# Altium PCB PCB3.PcbDoc (part 2 of 3)
Units mm, origin at the board's own origin, x right, y up, seen from the top; angles counter-clockwise.
Board outline 202.9 x 84.5 mm, 4 copper layers (Top Layer, GND, POWER, Bottom Layer), stack 1.564 mm thick; 186 components, 192 nets, 845 pads, 410 vias.
Unrouted connection lines stored in the file: 199.
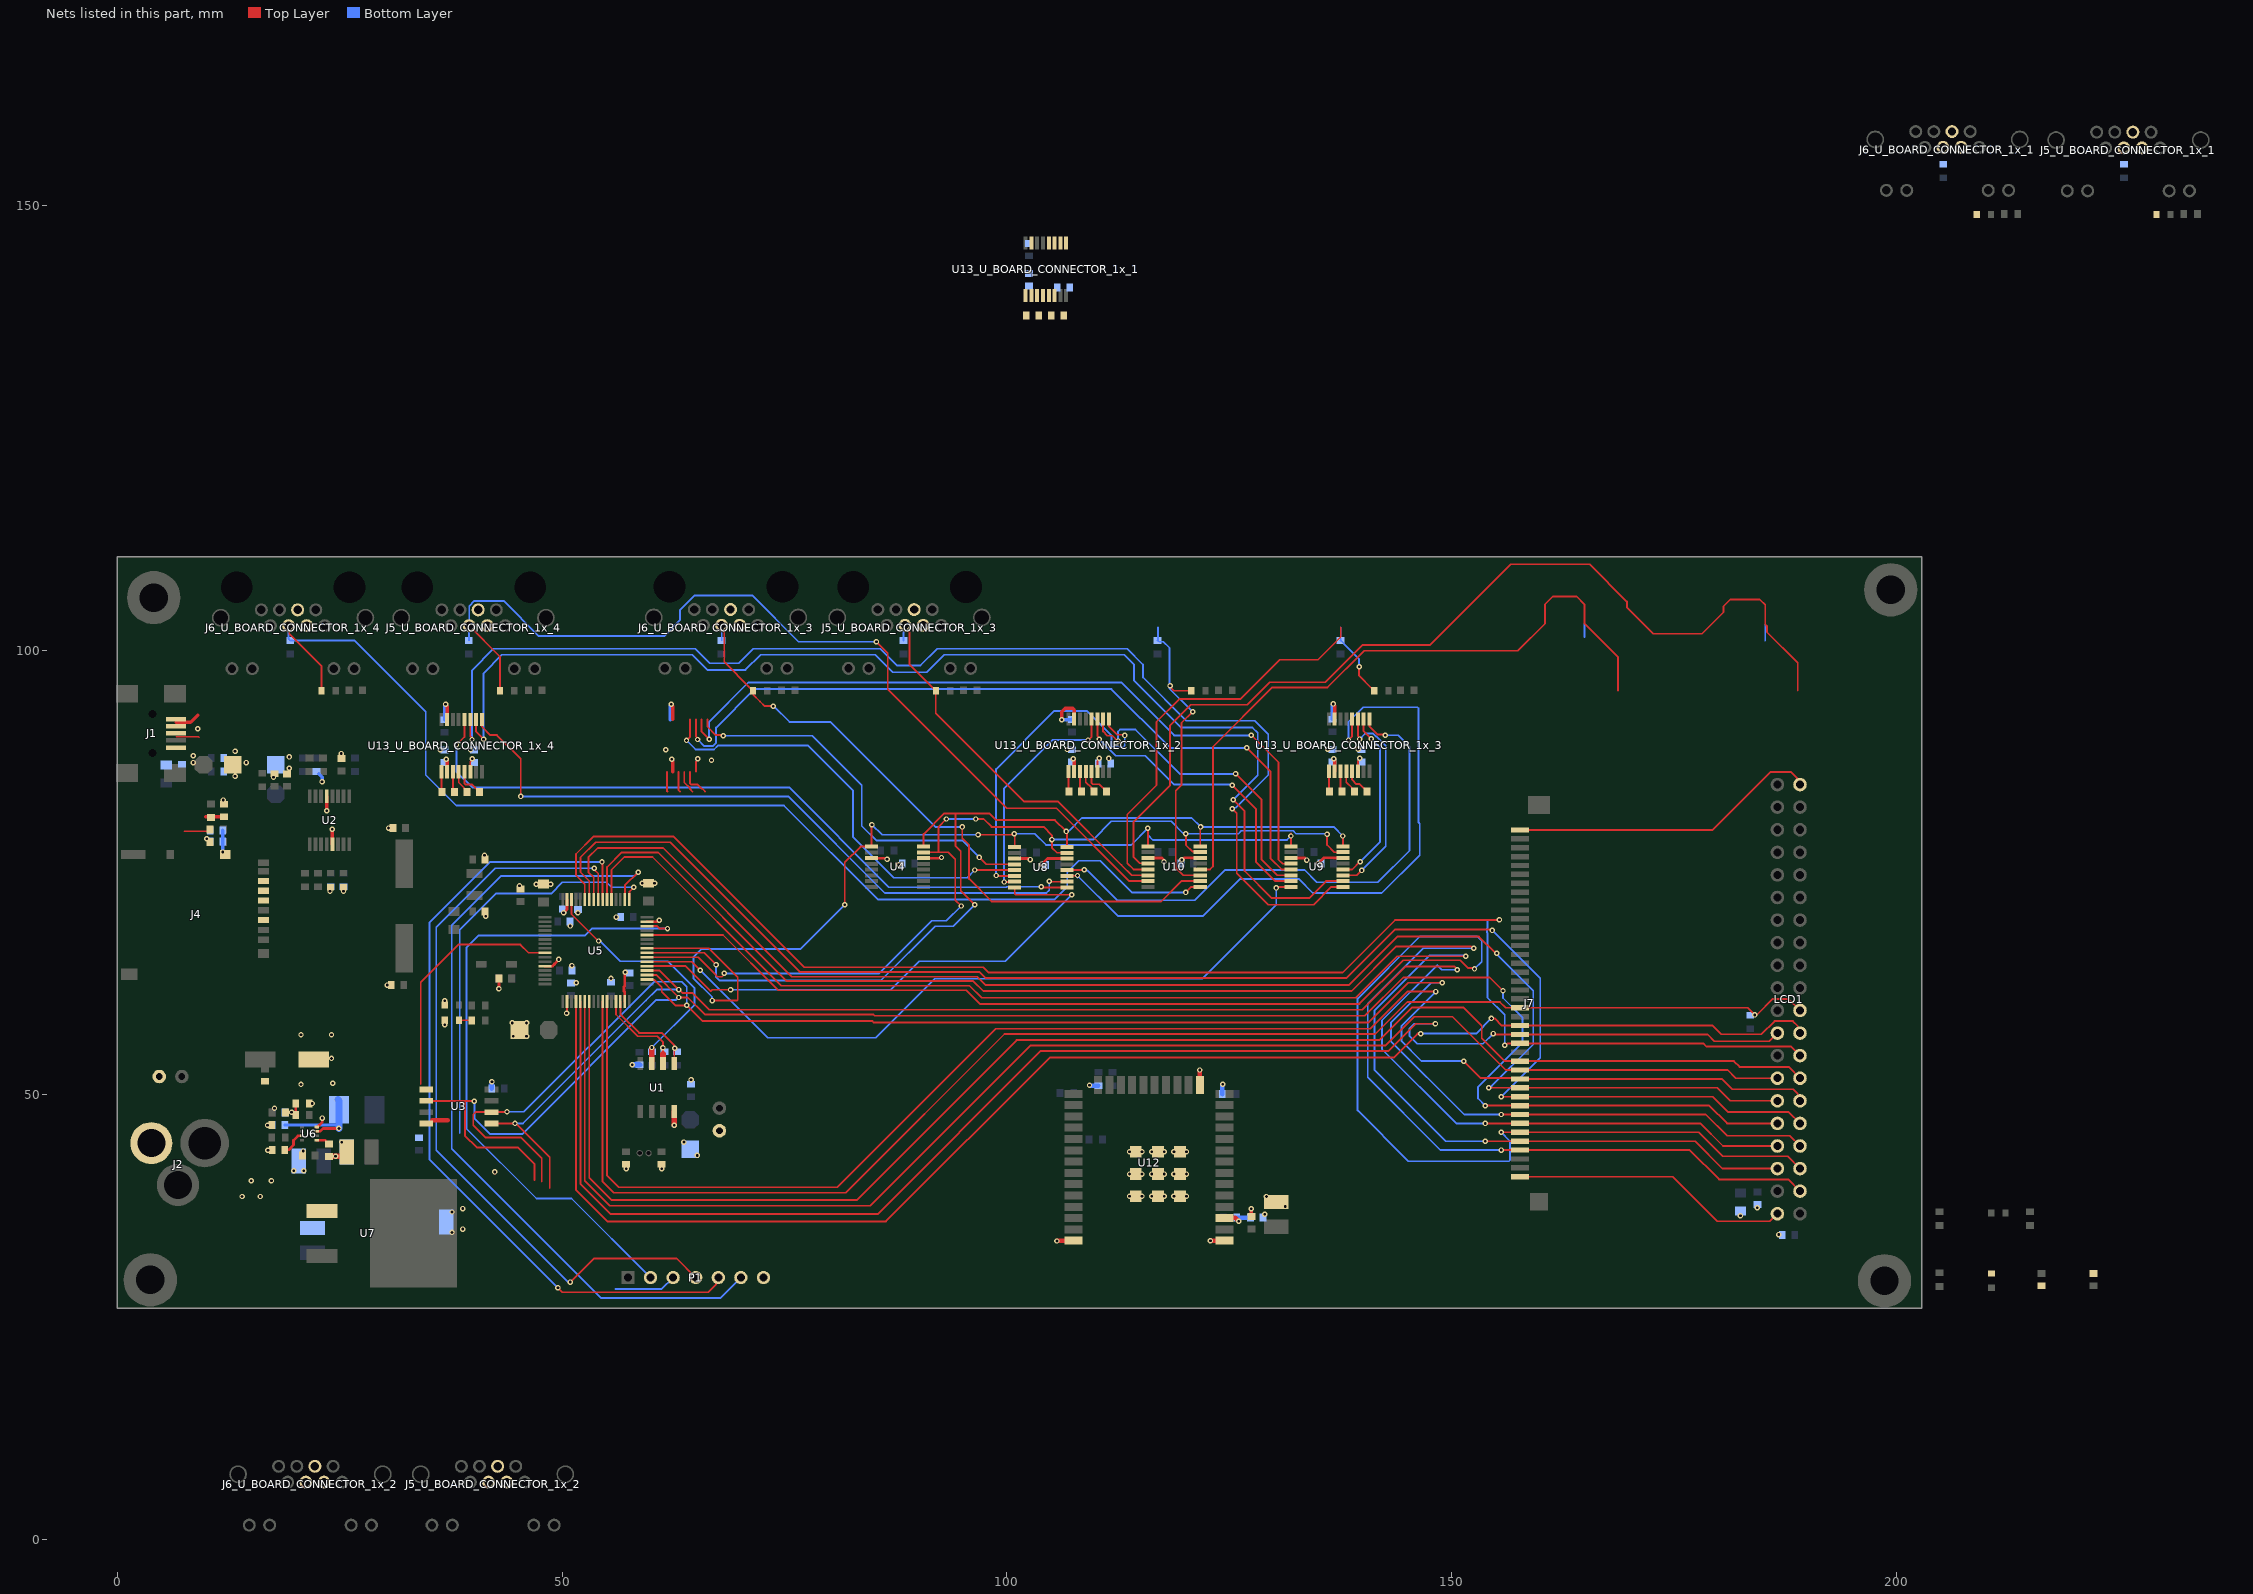
[diagram p4: the nets of this part, all layers, seen from the top]

## Via types
v1: diameter 0.61, hole 0.305, Top Layer to Bottom Layer, tented both sides, 344 vias
v2: diameter 0.61, hole 0.305, Top Layer to Bottom Layer, 66 vias

## Nets (pads, with @x,y where several pads share a name; then routed paths per layer and width w, separated by ;. In a path a pad name is that pad's centre, name@x,y a point inside that pad or via, vN(x,y) a via of type N, cw(c..) or ccw(c..) an arc to the next point about the centre after c; other vN are vias at no path point) (continued)
BOARD_LSENSE1: D8_U_BOARD_CONNECTOR_1x_1.2 J6_U_BOARD_CONNECTOR_1x_1.4 R29_U_BOARD_CONNECTOR_1x_1.2 U10.12 | length 78.3
  Top Layer w0.203: U10.12@121.758,75.347 122.845,75.347 123.19,75.692 123.19,89.154 129.86,95.824 136.064,95.824 140.19,99.949 157.48,99.949 160.528,102.997 160.528,105.156 161.417,106.045 164.084,106.045 164.95,105.179 164.95,104.341 164.973,104.318 164.973,103.013 164.94,102.98 164.99,102.98 168.745,99.225 168.745,95.455
  Bottom Layer w0.203: 164.94,102.98 164.973,102.947 164.973,101.473
BOARD_LSENSE2: D8_U_BOARD_CONNECTOR_1x_2.2 J6_U_BOARD_CONNECTOR_1x_2.4 R29_U_BOARD_CONNECTOR_1x_2.2 U10.11 | length 35.8
  Top Layer w0.203: v1(118.364,96.012) 118.237,95.885 118.364,95.885 118.794,95.455 D8_U_BOARD_CONNECTOR_1x_2.2@120.739,95.455 ; v1(120.904,93.091) 119.634,91.821 119.634,84.836 118.999,84.201 118.999,75.565 119.867,74.697 U10.11@121.758,74.697
  Bottom Layer w0.203: R29_U_BOARD_CONNECTOR_1x_2.2@116.967,101.092 R29_U_BOARD_CONNECTOR_1x_2.2@117.02,101.145 ; 117.02,102.6 R29_U_BOARD_CONNECTOR_1x_2.2@117.02,101.145 ; v1(120.904,93.091) 118.3,95.694 118.3,100.266 117.597,100.97 117.142,100.97 117.02,101.092 R29_U_BOARD_CONNECTOR_1x_2.2@117.02,101.145
BOARD_LSENSE3: D8_U_BOARD_CONNECTOR_1x_3.2 J6_U_BOARD_CONNECTOR_1x_3.4 R29_U_BOARD_CONNECTOR_1x_3.2 U10.10 | length 74.9
  Top Layer w0.203: J6_U_BOARD_CONNECTOR_1x_3.4@67.92,102.81 68.161,102.569 68.161,102.129 68.228,102.062 68.228,98.69 71.165,95.754 71.215,95.754 71.463,95.505 D8_U_BOARD_CONNECTOR_1x_3.2@71.463,95.455 71.501,95.417 71.501,94.996 72.251,94.246 72.775,93.722 v1(73.736,93.722) ; v1(94.996,80.137) 94.996,78.867 95.758,78.105 95.758,74.295 98.298,71.755 117.348,71.755 119.64,74.047 U10.10@121.758,74.047
  Bottom Layer w0.203: J6_U_BOARD_CONNECTOR_1x_3.4@67.92,102.81 67.945,102.785 R29_U_BOARD_CONNECTOR_1x_3.2@67.945,101.092 ; v1(73.736,93.722) 73.791,93.722 75.565,91.948 80.137,91.948 91.948,80.137 v1(94.996,80.137)
BOARD_LSENSE4: D8_U_BOARD_CONNECTOR_1x_4.2 J6_U_BOARD_CONNECTOR_1x_4.4 R29_U_BOARD_CONNECTOR_1x_4.2 U10.9 | length 133.6
  Top Layer w0.203: J6_U_BOARD_CONNECTOR_1x_4.4@19.238,102.764 19.31,102.692 19.31,101.848 22.949,98.209 D8_U_BOARD_CONNECTOR_1x_4.2@22.949,95.455 ; v1(120.142,72.771) 120.768,73.397 U10.9@121.758,73.397
  Bottom Layer w0.203: J6_U_BOARD_CONNECTOR_1x_4.4@19.238,102.764 19.238,101.285 R29_U_BOARD_CONNECTOR_1x_4.2@19.431,101.092 26.67,101.092 34.671,93.091 34.671,85.979 38.104,82.546 74.934,82.546 85.496,71.984 105.385,71.984 106.807,73.406 106.807,75.057 108.077,76.327 110.49,76.327 114.046,72.771 v1(120.142,72.771)
BOARD_S0: U4.1 U5.41 U8.1 U9.1 U10.1 | length 108.2
  Top Layer w0.203: U5.41@59.544,66.484 66.485,66.484 69.757,63.212 69.757,60.727 69.638,60.608 v1(66.893,60.608) ; v1(81.788,71.374) 81.788,76.153 83.566,77.931 U4.1@84.778,77.931 84.778,80.333 v1(84.836,80.391) ; v1(96.774,79.248) 100.516,79.248 100.565,79.297 100.76,79.297 v1(100.838,79.375) ; v1@100.821,79.328 100.889,79.26 U8.1@100.889,77.881 ; v1(115.853,79.981) 115.882,79.952 U10.1@115.882,77.947 ; U9.1@131.946,77.947 v1@131.946,79.382
  Bottom Layer w0.203: v1(66.893,60.608) 66.855,60.646 66.855,61.026 64.765,63.116 64.765,65.478 65.708,66.421 76.835,66.421 v1(81.788,71.374) ; v1(84.836,80.391) 85.979,79.248 v1(96.774,79.248) ; v1(100.838,79.375) 103.157,79.375 104.427,78.105 113.977,78.105 v1(115.853,79.981) 115.853,79.24 116.429,78.664 131.496,78.664 v1(131.953,79.121)
BOARD_S1: U4.16 U5.40 U8.16 U9.16 U10.16 | length 110.6
  Top Layer w0.203: U5.40@59.544,65.984 65.969,65.984 v1(67.31,64.643) ; U4.16@90.654,77.931 90.654,79.335 92.98,81.661 94.243,81.661 ; v1(96.393,71.374) 94.823,72.944 94.823,77.389 94.243,77.969 94.243,81.661 ; U8.16@106.765,77.881 106.765,79.544 v1(106.68,79.629) 105.41,80.899 98.806,80.899 98.044,81.661 94.243,81.661 ; U10.16@121.758,77.947 121.758,80.102 v1(121.793,80.137) ; v1(137.795,79.121) 137.822,79.094 U9.16@137.822,77.947
  Bottom Layer w0.203: v1(67.31,64.643) 67.31,63.246 67.682,62.874 85.861,62.874 91.948,68.961 93.98,68.961 v1(96.393,71.374) ; v1(106.68,79.629) 106.758,79.707 107.012,79.707 108.458,81.153 120.777,81.153 v1(121.793,80.137) 136.779,80.137 v1(137.795,79.121)
BOARD_S2: U4.15 U5.39 U8.15 U9.15 U10.15 | length 108.3
  Top Layer w0.203: U5.39@59.544,65.484 65.326,65.484 67.129,63.681 67.176,63.634 67.183,63.627 67.456,63.29 67.975,63.29 68.216,63.531 v1(68.216,63.672) ; U4.15@90.654,77.281 92.418,77.281 ; 92.329,77.281 92.329,80.137 v1(93.218,81.026) ; 92.418,77.281 93.407,77.281 94.203,76.485 94.203,71.913 v1(94.869,71.247) ; v1(96.52,81.026) 97.409,81.026 98.298,80.137 104.14,80.137 105.08,79.197 v1(105.08,78.715) 105.08,77.8 105.649,77.231 U8.15@106.765,77.231 ; v1(120.142,79.375) 120.142,78.105 120.86,77.387 121.668,77.387 U10.15@121.758,77.297 ; v1(136.021,79.3) 136.021,78.101 136.825,77.297 U9.15@137.822,77.297
  Bottom Layer w0.203: v1(68.216,63.672) 85.648,63.672 91.573,69.596 93.218,69.596 v1(94.869,71.247) ; v1(93.218,81.026) v1(96.52,81.026) ; v1(105.08,78.715) 109.703,78.715 111.76,80.772 118.491,80.772 119.81,79.453 120.064,79.453 v1(120.142,79.375) 126.058,79.375 126.389,79.705 132.195,79.705 132.525,79.375 135.946,79.375 v1(136.021,79.3)
BOARD_SENSE1: D7_U_BOARD_CONNECTOR_1x_1.2 J5_U_BOARD_CONNECTOR_1x_1.4 R28_U_BOARD_CONNECTOR_1x_1.2 U10.4 | length 111.7
  Top Layer w0.203: U10.4@115.882,75.997 115.83,76.049 114.959,76.049 114.257,76.751 114.257,80.729 118.364,84.836 118.364,91.567 120.678,93.881 127.028,93.881 129.555,96.408 135.799,96.408 139.975,100.584 147.574,100.584 156.657,109.667 165.542,109.667 169.735,105.474 169.735,104.838 172.72,101.854 178.181,101.854 180.594,104.267 180.594,104.948 181.356,105.71 184.679,105.71 185.28,105.109 185.28,102.92 185.473,102.727 185.473,102.055 188.938,98.59 188.938,95.455
  Bottom Layer w0.203: 185.28,102.92 185.28,101.105 185.293,101.092
BOARD_SENSE2: D7_U_BOARD_CONNECTOR_1x_2.2 J5_U_BOARD_CONNECTOR_1x_2.4 R28_U_BOARD_CONNECTOR_1x_2.2 U10.5 | length 54.4
  Top Layer w0.203: U10.5@115.882,75.347 114.264,75.347 113.538,76.073 113.538,81.534 116.84,84.836 116.84,91.948 119.401,94.509 126.259,94.509 130.683,98.933 135.001,98.933 137.56,101.492 137.56,102.6 ; v1(139.622,98.151) 139.622,97.146 141.015,95.754 141.065,95.754 141.313,95.505 D7_U_BOARD_CONNECTOR_1x_2.2@141.313,95.455
  Bottom Layer w0.203: 137.56,102.6 137.56,101.111 R28_U_BOARD_CONNECTOR_1x_2.2@137.541,101.092 137.604,101.092 137.884,100.813 137.884,100.749 139.622,99.011 v1(139.622,98.151)
BOARD_SENSE3: D7_U_BOARD_CONNECTOR_1x_3.2 J5_U_BOARD_CONNECTOR_1x_3.4 R28_U_BOARD_CONNECTOR_1x_3.2 U10.6 | length 44.6
  Top Layer w0.203: J5_U_BOARD_CONNECTOR_1x_3.4@88.56,102.8 88.56,102.55 89.058,102.052 89.058,98.435 91.739,95.754 91.789,95.754 92.037,95.505 D7_U_BOARD_CONNECTOR_1x_3.2@92.037,95.455 92.011,95.43 92.011,92.9 101.9,83.012 105.732,83.012 112.886,75.859 114.048,74.697 U10.6@115.882,74.697
  Bottom Layer w0.203: R28_U_BOARD_CONNECTOR_1x_3.2@88.392,101.092 88.392,102.632 J5_U_BOARD_CONNECTOR_1x_3.4@88.56,102.8
BOARD_SENSE4: D7_U_BOARD_CONNECTOR_1x_4.2 J5_U_BOARD_CONNECTOR_1x_4.4 R28_U_BOARD_CONNECTOR_1x_4.2 U10.7 | length 109.1
  Top Layer w0.203: J5_U_BOARD_CONNECTOR_1x_4.4@39.539,102.764 43.015,99.288 D7_U_BOARD_CONNECTOR_1x_4.2@43.015,95.455 ; v1@85.329,100.965 86.614,99.68 86.614,95.631 100.006,82.239 105.594,82.239 113.786,74.047 U10.7@115.882,74.047
  Bottom Layer w0.203: R28_U_BOARD_CONNECTOR_1x_4.2@39.497,101.092 39.539,101.134 J5_U_BOARD_CONNECTOR_1x_4.4@39.539,102.764 39.548,102.774 39.548,104.963 40.14,105.555 43.432,105.555 47.386,101.6 61.468,101.6 63.246,103.378 63.246,104.521 64.897,106.172 71.374,106.172 76.581,100.965 v1(85.344,100.965)
CMD_RX1: U8.4 U13_U_BOARD_CONNECTOR_1x_1.9 | length 44.5
  Top Layer w0.203: 66.34,92.223 66.34,91.427 67.299,90.468 68.034,90.468 v1(68.112,90.39) ; v1(96.901,76.708) 97.678,75.931 U8.4@100.889,75.931
  Bottom Layer w0.203: v1(68.112,90.39) 78.139,90.39 83.7,84.829 83.7,80.24 85.323,78.617 94.992,78.617 v1(96.901,76.708)
CMD_RX2: U8.5 U13_U_BOARD_CONNECTOR_1x_1.12 | length 49.6
  Top Layer w0.203: v1(63.991,89.863) 64.39,90.262 64.39,92.223 ; v1@96.393,75.311 v1(96.408,75.296) 96.423,75.281 U8.5@100.889,75.281
  Bottom Layer w0.203: v1(63.991,89.863) 65.014,88.84 67.083,88.84 67.524,89.281 77.669,89.281 82.723,84.227 82.723,78.994 87.295,74.422 95.534,74.422 v1(96.408,75.296)
CMD_RX3: U8.6 U13_U_BOARD_CONNECTOR_1x_2.9 | length 37.8
  Top Layer w0.203: v1(98.806,74.676) 98.851,74.631 U8.6@100.889,74.631 ; U13_U_BOARD_CONNECTOR_1x_2.9@111.488,92.262 111.488,91.466 112.447,90.507 113.183,90.507 v1(113.26,90.429)
  Bottom Layer w0.203: v1(98.806,74.676) 98.806,86.634 105.351,93.179 109.014,93.179 111.766,90.427 111.766,89.273 111.886,89.154 113.141,89.154 113.26,89.273 v1(113.26,90.429)
CMD_RX4: U8.7 U13_U_BOARD_CONNECTOR_1x_2.12 | length 26
  Top Layer w0.203: v1(99.703,73.942) 99.723,73.961 100.869,73.961 U8.7@100.889,73.981 ; v1(109.139,89.902) 109.538,90.301 U13_U_BOARD_CONNECTOR_1x_2.12@109.538,92.262
  Bottom Layer w0.203: v1(99.703,73.942) 99.703,84.494 105.111,89.902 v1(109.139,89.902)
CMD_RX5: U8.12 U13_U_BOARD_CONNECTOR_1x_3.9 | length 61.4
  Top Layer w0.203: U8.12@106.765,75.281 108.663,75.281 v1(108.703,75.321) ; U13_U_BOARD_CONNECTOR_1x_3.9@140.779,92.276 140.779,91.48 141.738,90.521 142.474,90.521 v1(142.551,90.443)
  Bottom Layer w0.203: v1(108.703,75.321) 108.781,75.243 109.034,75.243 112.402,71.875 113.277,71.875 113.284,71.882 121.158,71.882 124.587,75.311 133.477,75.311 134.874,73.914 141.732,73.914 145.288,77.47 145.288,89.154 143.999,90.443 v1(142.551,90.443)
CMD_RX6: U8.11 U13_U_BOARD_CONNECTOR_1x_3.12 | length 75.7
  Top Layer w0.203: U8.11@106.765,74.631 106.787,74.653 107.8,74.653 107.823,74.676 v1(107.95,74.676) ; v1(138.43,89.916) 138.829,90.315 U13_U_BOARD_CONNECTOR_1x_3.12@138.829,92.276
  Bottom Layer w0.203: v1@107.95,74.422 v1(107.95,74.676) 112.522,70.104 122.047,70.104 126.238,74.295 132.842,74.295 134.429,72.707 142.176,72.707 146.431,76.962 146.431,80.518 146.304,80.645 146.304,93.48 146.185,93.599 140.081,93.599 138.43,91.948 v1(138.43,89.916)
CMD_RX7: U8.10 U13_U_BOARD_CONNECTOR_1x_4.9 | length 78
  Top Layer w0.203: U13_U_BOARD_CONNECTOR_1x_4.9@40.975,92.223 40.975,91.427 41.934,90.468 42.67,90.468 45.339,87.798 v1(45.339,83.566) ; v1(104.775,74.041) 104.835,73.981 U8.10@106.765,73.981
  Bottom Layer w0.203: v1(45.339,83.566) 75.438,83.566 86.296,72.708 104.458,72.708 104.775,73.025 v1(104.775,74.041)
CMD_RX8: U8.9 U13_U_BOARD_CONNECTOR_1x_4.12 | length 80.3
  Top Layer w0.203: v1(38.113,89.372) 38.135,89.372 39.025,90.262 U13_U_BOARD_CONNECTOR_1x_4.12@39.025,92.223 ; v1(103.886,73.406) 103.961,73.331 U8.9@106.765,73.331
  Bottom Layer w0.203: v1(38.113,89.372) 38.113,86.366 39.899,84.579 75.519,84.579 86.741,73.357 99.945,73.357 99.994,73.406 v1(103.886,73.406)
CMD_RXX: U5.37 U8.8 | length 60.6
  Top Layer w0.203: U5.37@59.544,64.484 63.913,64.484 66.737,61.66 66.9,61.823 v1(68.941,61.823) ; U8.8@100.889,73.331 100.889,72.636 101.008,72.517 v1(107.315,72.517)
  Bottom Layer w0.203: v1(68.941,61.823) 86.969,61.823 90.177,65.031 99.829,65.031 v1(107.315,72.517)
CMD_TX1: U9.4 U13_U_BOARD_CONNECTOR_1x_1.10 | length 86.6
  Top Layer w0.203: 65.69,92.223 65.69,90.835 v1@66.478,90.047 ; v1(127.508,90.434) 127.518,90.434 130.556,87.397 130.556,76.454 131.013,75.997 U9.4@131.946,75.997
  Bottom Layer w0.203: v1(66.531,89.99) 66.531,91.966 70.958,96.393 112.862,96.393 118.82,90.434 v1(127.508,90.434)
CMD_TX2: U9.5 U13_U_BOARD_CONNECTOR_1x_1.11 | length 87.1
  Top Layer w0.203: 65.04,92.223 65.04,90.32 65.236,90.124 v1(65.236,89.965) ; v1(127,89.027) 129.667,86.36 129.667,76.581 130.901,75.347 U9.5@131.946,75.347
  Bottom Layer w0.203: v1(65.236,89.965) 65.98,89.221 66.925,89.221 67.31,89.606 67.31,91.313 71.628,95.631 111.769,95.631 118.373,89.027 v1(127,89.027)
CMD_TX3: U9.6 U13_U_BOARD_CONNECTOR_1x_2.10 | length 34.9
  Top Layer w0.203: U13_U_BOARD_CONNECTOR_1x_2.10@110.838,92.262 110.838,90.874 111.32,90.391 111.894,90.391 112.496,89.789 v1(112.522,89.789) ; v1(125.73,86.106) 128.651,83.185 128.651,76.454 130.408,74.697 U9.6@131.946,74.697
  Bottom Layer w0.203: v1(112.522,89.789) 112.522,90.872 112.743,91.092 114.469,91.092 119.456,86.106 v1(125.73,86.106)
CMD_TX4: U9.7 U13_U_BOARD_CONNECTOR_1x_2.11 | length 34
  Top Layer w0.203: U13_U_BOARD_CONNECTOR_1x_2.11@110.188,92.262 110.188,90.359 110.384,90.163 v1(110.384,90.004) ; v1(125.349,84.836) 128.016,82.169 128.016,76.2 130.169,74.047 U9.7@131.946,74.047
  Bottom Layer w0.203: v1(110.384,90.004) 112.25,88.138 115.57,88.138 118.794,84.914 125.271,84.914 v1(125.349,84.836)
CMD_TX5: U9.12 U13_U_BOARD_CONNECTOR_1x_3.10 | length 19.9
  Top Layer w0.203: U9.12@137.822,75.347 138.847,75.347 v1@139.7,76.2 ; U13_U_BOARD_CONNECTOR_1x_3.10@140.129,92.276 140.129,90.888 v1@140.917,90.1
  Bottom Layer w0.203: v1(139.739,76.232) 141.986,78.479 141.986,89.027 v1(140.97,90.043)
CMD_TX6: U9.11 U13_U_BOARD_CONNECTOR_1x_3.11 | length 23.5
  Top Layer w0.203: U9.11@137.822,74.697 139.366,74.697 v1@139.882,75.213 ; U13_U_BOARD_CONNECTOR_1x_3.11@139.479,92.276 139.479,90.373 139.675,90.177 v1(139.675,90.018)
  Bottom Layer w0.203: v1(139.675,90.018) 140.284,90.627 141.212,90.627 141.542,90.297 141.605,90.297 142.621,89.281 142.621,77.945 v1(139.921,75.245)
CMD_TX7: U9.10 U13_U_BOARD_CONNECTOR_1x_4.10 | length 135.9
  Top Layer w0.203: U13_U_BOARD_CONNECTOR_1x_4.10@40.325,92.223 40.325,90.835 v1@41.113,90.047 ; v1(125.476,83.185) 126.746,81.915 126.746,75.184 129.793,72.137 134.002,72.137 135.912,74.047 U9.10@137.822,74.047
  Bottom Layer w0.203: v1(41.166,89.99) 41.166,97.427 43.235,99.496 64.633,99.496 66.34,97.79 70.612,97.79 72.318,99.496 85.217,99.496 87.177,97.536 91.004,97.536 92.964,99.496 113.229,99.496 114.3,98.425 114.3,96.647 119.634,91.313 127.635,91.313 128.225,90.723 128.225,85.934 v1(125.476,83.185)
CMD_TX8: U9.9 U13_U_BOARD_CONNECTOR_1x_4.11 | length 140.6
  Top Layer w0.203: U13_U_BOARD_CONNECTOR_1x_4.11@39.675,92.223 39.675,90.32 39.871,90.124 v1(39.871,89.965) ; v1(125.349,82.169) 125.857,81.661 125.857,74.93 129.393,71.394 134.505,71.394 136.508,73.397 U9.9@137.822,73.397
  Bottom Layer w0.203: v1(39.871,89.965) 39.871,97.763 42.277,100.169 64.97,100.169 66.587,98.552 69.884,98.552 71.501,100.169 85.759,100.169 87.63,98.298 90.297,98.298 92.168,100.169 113.538,100.169 115.316,98.391 115.316,96.956 120.185,92.087 127.877,92.087 129.413,90.551 129.413,85.979 125.73,82.296 125.222,82.296 v1(125.349,82.169)
CMD_TXX: U5.38 U9.8 | length 84.1
  Top Layer w0.203: U5.38@59.544,64.984 64.58,64.984 65.532,64.032 v1(65.532,64.008) ; v1(130.302,73.279) 130.42,73.397 U9.8@131.946,73.397
  Bottom Layer w0.203: v1(65.532,64.008) 68.732,60.808 73.108,56.432 85.258,56.432 91.883,63.057 121.985,63.057 130.302,71.374 v1(130.302,73.279)
FLASH_CS: U3.1 U5.9 | length 27.5
  Top Layer w0.203: 34.104,51.226 34.104,62.679 38.325,66.9 45.306,66.9 46.222,65.984 U5.9@48.068,65.984
FLASH_MISO: J4.7 J7.32 LCD1.32 U3.2 U5.35 | length 202.7
  Top Layer w0.203: U3.2@34.725,49.335 39.067,49.335 ; v1(40.132,49.276) 40.073,49.335 39.067,49.335 ; 46.9,40.438 46.9,42.2 45,44.1 40.4,44.1 39.067,45.433 39.067,49.335 ; U5.35@59.544,63.484 59.554,63.494 60.585,63.494 v1(63.119,60.96) 64.135,60.96 66.04,59.055 84.975,59.055 85.128,58.902 140.277,58.902 144.582,63.206 154.294,63.206 v1(155.8,61.7) ; v1(153.8,48.8) J7.32@157.7,48.8 179,48.8 181,46.8 LCD1.32@186.66,46.8
  Bottom Layer w0.203: v1(40.132,49.276) 40.132,47.378 41.91,45.6 45.5,45.6 60.593,60.692 62.797,60.692 63.064,60.96 v1(63.119,60.96) ; v1(153.8,48.8) 153,49.6 153,50.924 158,55.924 158,58.7 155.8,60.9 v1(155.8,61.7)
FLASH_MOSI: J4.3 J7.34 LCD1.34 U3.5 U5.36 | length 194.8
  Top Layer w0.203: U3.5@42.075,46.795 42.08,46.8 v1(44.7,46.8) 44.8,46.8 48.6,43 48.6,39.533 ; U5.36@59.544,63.984 60.984,63.984 v1(63.119,61.849) 63.5,61.468 64.643,61.468 66.527,59.584 83.515,59.584 84.675,59.584 139.993,59.584 144.865,64.455 150.337,64.455 150.641,64.151 v1(150.641,64.066) ; v1(153.8,46.8) J7.34@157.7,46.8 178,46.8 180.54,44.26 LCD1.34@186.66,44.26
  Bottom Layer w0.203: v1(44.7,46.8) 45.6,46.8 59.436,60.636 60.649,61.849 v1(63.119,61.849) ; v1(150.641,64.066) 148.934,64.066 148.4,64.6 142.195,58.395 142.195,55.148 150.542,46.8 v1(153.8,46.8)
FLASH_NCS: J7.37 LCD1.37 U5.54 | length 187
  Top Layer w0.203: U5.54@55.056,71.972 55.056,75.629 56.694,77.268 60.779,77.268 75.245,62.801 96.238,62.801 97.351,61.688 138.777,61.688 143.764,66.674 152.216,66.674 152.39,66.5 v1(152.5,66.5) ; v1(155.6,43.8) J7.37@157.7,43.8 176.8,43.8 180.1,40.5 187.88,40.5 LCD1.37@189.2,39.18
  Bottom Layer w0.203: v1(152.5,66.5) 146.84,66.5 140.594,60.254 140.594,51.98 148.774,43.8 v1(155.6,43.8)
FLASH_SCK: J4.5 J7.33 LCD1.33 U3.6 U5.34 | length 199.6
  Top Layer w0.203: v1@43.684,48.071 43.678,48.065 U3.6@42.075,48.065 40.265,48.065 40,47.8 40,46.6 41.4,45.2 45.4,45.2 47.7,42.9 47.7,40.233 ; U5.34@59.544,62.984 59.592,62.936 60.375,62.936 61.214,62.097 61.214,61.6 62.743,60.071 v1(64.008,60.071) 65.755,58.324 84.858,58.324 85.044,58.138 140.653,58.138 145.138,62.622 v1(148.958,62.622) ; v1(155.6,47.8) J7.33@157.7,47.8 178.6,47.8 181,45.4 188.06,45.4 LCD1.33@189.2,44.26
  Bottom Layer w0.203: v1(43.8,48.1) 45.7,48.1 60.338,62.738 63.43,62.738 64.008,62.16 v1(64.008,60.071) ; v1(148.958,62.622) 147.722,62.622 143.2,58.1 143.2,56.036 151.436,47.8 v1(155.6,47.8)
FONT_NCS: J7.36 LCD1.36 U5.53 | length 177.9
  Top Layer w0.203: U5.53@55.556,71.972 55.556,75.307 57.002,76.753 60.167,76.753 74.637,62.283 95.813,62.283 97.165,60.932 139.235,60.932 143.903,65.6 v1(151.6,65.6) ; v1(153.8,44.8) J7.36@157.7,44.8 177.4,44.8 180.48,41.72 LCD1.36@186.66,41.72
  Bottom Layer w0.203: v1(151.6,65.6) 151.49,65.6 151.39,65.7 147.583,65.7 141.339,59.456 141.339,52.839 149.379,44.8 v1(153.8,44.8)
GND: C1.2 C2.2 C3.2 C4.1 C5.2 C6.1 C7.1 C8.2 C9.2 C10.1 C11.2 C12.2 C13.2 C14.1 C15.2 C16.2 C17.2 C18.2 C19.2 C20.2 C21.2 C22.2 C23.2 C24.2 C26.1 C27.1 C28.1 C29.2 C30.1 C31.2 C32.2 C33.1 C34.1 C35.2 C36.2 C37.1 C39_U_BOARD_CONNECTOR_1x_1.1 C39_U_BOARD_CONNECTOR_1x_2.1 C39_U_BOARD_CONNECTOR_1x_3.1 C39_U_BOARD_CONNECTOR_1x_4.1 C40.2 C41.2 C42.1 C43.1 C44.2 C45_U_BOARD_CONNECTOR_1x_1.1 C45_U_BOARD_CONNECTOR_1x_2.1 C45_U_BOARD_CONNECTOR_1x_3.1 C45_U_BOARD_CONNECTOR_1x_4.1 C46_U_BOARD_CONNECTOR_1x_1.1 C46_U_BOARD_CONNECTOR_1x_2.1 C46_U_BOARD_CONNECTOR_1x_3.1 C46_U_BOARD_CONNECTOR_1x_4.1 C48.1 C49.2 C50.1 C51.2 C52.2 C53.2 C54.1 C55.2 C63.1 C73.1 C74.1 C75.1 C85.1 C86.1 D5.2 D6.2 D10.2 J1.5 J2.2 J3.1 J4.6 J4.MP3 J5_U_BOARD_CONNECTOR_1x_1.5 J5_U_BOARD_CONNECTOR_1x_1.6 J5_U_BOARD_CONNECTOR_1x_2.5 J5_U_BOARD_CONNECTOR_1x_2.6 J5_U_BOARD_CONNECTOR_1x_3.5 J5_U_BOARD_CONNECTOR_1x_3.6 J5_U_BOARD_CONNECTOR_1x_4.5 J5_U_BOARD_CONNECTOR_1x_4.6 J6_U_BOARD_CONNECTOR_1x_1.5 J6_U_BOARD_CONNECTOR_1x_1.6 J6_U_BOARD_CONNECTOR_1x_2.5 J6_U_BOARD_CONNECTOR_1x_2.6 J6_U_BOARD_CONNECTOR_1x_3.5 J6_U_BOARD_CONNECTOR_1x_3.6 J6_U_BOARD_CONNECTOR_1x_4.5 J6_U_BOARD_CONNECTOR_1x_4.6 J7.1 J7.40 LCD1.1 LCD1.40 P1.7 P2.2 R7.2 R8.2 R21.2 R22.2 R25.2 R26.2 R45.2 U1.4 U2.5 U2.13 U3.4 U4.3 U4.14 U5.12 U5.18 U5.31 U5.47 U5.63 U6.4 U7.1 U8.3 U8.14 U9.3 U9.14 U10.3 U10.14 U12.1 U12.15 U12.38 U12.39 U12.40 U12.41 U12.42 U12.43 U12.44 U12.45 U12.46 U12.47 U13_U_BOARD_CONNECTOR_1x_1.15 U13_U_BOARD_CONNECTOR_1x_2.15 U13_U_BOARD_CONNECTOR_1x_3.15 U13_U_BOARD_CONNECTOR_1x_4.15 | length 133.5
  Top Layer w0.203: v1(50.5,59.2) 50.556,59.256 U5.18@50.556,60.496 ; J7.40@157.7,40.8 174.9,40.8 179.9,35.8 185.82,35.8 LCD1.40@186.66,36.64 ; J7.1@157.7,79.8 179.364,79.8 185.864,86.3 188.2,86.3 188.849,85.651 188.849,85.609 189.2,85.257 LCD1.1@189.2,84.9
  Top Layer w0.305: U6.4@22.415,46.402 22.467,46.402 23.034,46.968 v1(23.034,47.4) ; v1(42.894,61.952) 42.9,61.958 C12.2@42.9,63.1 ; U5.12@48.068,64.484 48.922,64.484 49.136,64.697 49.136,64.736 v1@49.6,65.2 ; v1(50.165,70.485) 50.556,70.876 U5.63@50.556,71.972 ; U5.31@57.056,60.496 57.056,61.546 56.965,61.637 56.965,62.163 57.056,62.254 57.056,63.756 v1(57.1,63.8) ; U5.47@59.544,69.484 60.684,69.484 60.785,69.585 60.791,69.585 v1@60.869,69.507 ; U4.3@84.778,76.631 86.344,76.631 86.462,76.513 v1(86.544,76.513) ; U4.14@90.654,76.631 92.512,76.631 92.578,76.697 v1(92.66,76.697) ; U8.3@100.889,76.581 102.454,76.581 102.572,76.463 v1(102.655,76.463) ; v1(103.955,75.963) 104.59,76.598 105.718,76.598 105.735,76.581 U8.14@106.765,76.581 ; U10.3@115.882,76.647 117.447,76.647 117.683,76.411 v1(117.683,76.232) ; v1(119.673,76.449) 119.756,76.449 119.971,76.664 120.711,76.664 120.728,76.647 U10.14@121.758,76.647 ; U9.3@131.946,76.647 133.511,76.647 v1(133.746,76.412) ; v1(135.012,76.029) 135.647,76.664 136.775,76.664 136.792,76.647 U9.14@137.822,76.647
  Top Layer w0.381: v2(23.522,81.97) 23.528,81.975 U2.13@23.528,83.595 ; U2.5@24.164,78.171 v2(24.163,79.865) ; v1@36.9,93.905 37.075,93.73 U13_U_BOARD_CONNECTOR_1x_4.15@37.075,92.223 ; v1@62.265,93.905 62.44,93.73 62.44,92.223 ; v1(106.172,92.202) 106.172,93.091 106.553,93.472 107.422,93.472 107.605,93.288 107.605,92.279 U13_U_BOARD_CONNECTOR_1x_2.15@107.588,92.262 ; C29.2@127.508,36.325 127.494,36.339 127.494,37.185 v1@127.527,37.219 ; v1@136.704,93.958 136.879,93.783 U13_U_BOARD_CONNECTOR_1x_3.15@136.879,92.276
  Top Layer w0.508: 35.418,47.176 37.138,47.176 ; v1(42.418,41.339) v1@42.423,41.334 ; v1(105.641,33.579) 105.669,33.579 105.704,33.614 U12.38@107.498,33.614 ; v1(121.7,52.8) 121.713,52.787 U12.15@121.713,51.124 ; v1(122.904,33.609) 122.909,33.614 U12.1@124.498,33.614
  Top Layer w0.635: C28.1@23.777,43.089 25.28,43.089 C75.1@25.778,43.587 ; v1(62.6,46.6) 62.608,46.608 U1.4@62.608,48.132
  Bottom Layer w0.381: C50.1@11.834,79.752 C63.1@11.834,78.482 11.834,77.325 v2(11.836,77.322) ; R25.2@22.626,86.102 23.007,85.721 v2(23.007,85.213) ; C39_U_BOARD_CONNECTOR_1x_4.1@36.8,92.185 36.8,93.758 36.898,93.856 v1(36.898,93.917) ; 62.165,92.185 62.165,93.758 62.262,93.856 v1(62.262,93.917) ; v1(106.172,92.202) 107.291,92.202 C39_U_BOARD_CONNECTOR_1x_2.1@107.313,92.224 ; C39_U_BOARD_CONNECTOR_1x_3.1@136.604,92.238 136.604,93.811 136.702,93.909 v1(136.702,93.97)
  Bottom Layer w0.508: C7.1@42.1,50.7 42.105,50.705 42.105,51.479 v1(42.111,51.484) ; v1@109.424,51.047 110.291,51.047 R26.2@110.3,51.038 ; R21.2@124.238,50.1 124.238,51.111 124.281,51.153 v1@124.267,51.167
  Bottom Layer w0.635: v1@58.018,53.376 58.676,53.376 C1.2@58.7,53.4
  other v1: 186.8,34.3 37.618,34.539 38.831,34.92 182.5,36.4 129.004,36.572 37.618,36.839 38.831,37.22 127.48,37.207 184.4,37.3 131.318,37.465 129.202,38.576 113.8,38.6 115.2,38.6 116.3,38.6 117.7,38.6 118.8,38.6 120.2,38.6 113.8,41.1 115.2,41.1 116.3,41.1 117.7,41.1 118.8,41.1 120.2,41.1 19.837,41.487 20.935,41.487 57.2,41.7 61.2,41.7 24.529,43.089 65.2,43.2 113.8,43.6 115.2,43.6 116.3,43.6 117.7,43.6 118.8,43.6 120.2,43.6 20.896,43.689 16.916,43.768 25.209,44.685 63.7,44.7 17.656,48.493 21.911,49.037 109.3,51.1 20.642,51.181 124.3,51.2 24.198,51.308 64.5,51.7 57.9,53.4 24.071,54.102 44.5,56.6 46,56.6 20.642,56.769 24.071,56.769 36.8,57.9 44.4,58.1 46,58.1 36.8,60.6 51.6,62.6 55.5,63.1 51.107,64.547 49.629,65.239 50.9,69 60.926,69.643 56.1,70 41.402,70.104 51.778,70.495 47.1,73.7 48.7,73.7 59,73.8 60.4,73.8 87.86,75.897 41.275,76.962 66.802,87.63 111.474,87.842 36.3,88.805 39.7,88.805 61.665,88.805 106.813,88.844 136.104,88.858 139.504,88.858
  other v2: 14.013,38.576 16.045,38.576 15.029,40.354 17.315,40.354 30.353,62.357 45.212,73.533 30.48,80.01 11.906,83.169 17.546,85.721 13.228,85.848 19.324,86.737 8.529,87.372 14.498,87.372 19.324,88.007 8.529,88.134 25.166,88.388 13.228,88.642
I2C2_SCL: R3.1 U1.6 U5.29 | length 10.4
  Top Layer w0.203: U5.29@56.056,60.496 56.056,59.044 58.5,56.6 60.7,56.6 61.338,55.962 61.338,55.308 61.338,54.6
  Top Layer w0.635: U1.6@61.338,53.532 61.338,54.6
  other v1: 61.335,55.308
I2C2_SDA: R2.1 U1.5 U5.30 | length 10.2
  Top Layer w0.203: U5.30@56.556,60.496 56.556,59.083 58.658,56.981 61.219,56.981 62.598,55.602 62.598,55.318 v1(62.676,55.24) ; 62.608,54.352 v1@62.608,55.24
JNTRST: P1.4 U5.56 | length 86.6
  Top Layer w0.203: v1(50.927,28.956) 53.594,31.623 62.865,31.623 P1.4@65.024,29.464 ; v1(53.62,75.492) 53.62,75.338 54.056,74.902 U5.56@54.056,71.972
  Bottom Layer w0.203: v1(50.927,28.956) 50.673,28.956 35.857,43.772 35.857,68.877 42.472,75.492 v1(53.62,75.492)
JTCK/SWCLK: P1.3 U5.49 | length 53.5
  Top Layer w0.203: U5.49@57.556,71.972 57.573,71.989 57.573,72.867 v1(58.05,73.344)
  Bottom Layer w0.203: 38.481,45.72 38.481,68.58 42.545,72.644 48.768,72.644 50.038,73.914 54.991,73.914 55.561,73.344 v1(58.05,73.344) ; 56.007,28.194 61.214,28.194 P1.3@62.484,29.464
JTDI: P1.6 U5.50 | length 92.7
  Top Layer w0.203: U5.50@57.056,71.972 57.056,73.566 v1(58.547,75.057)
  Bottom Layer w0.203: v1(58.547,75.057) 58.103,74.613 43.117,74.613 37.592,69.088 37.592,43.942 54.356,27.178 67.818,27.178 P1.6@70.104,29.464
JTDO: P1.5 U5.55 | length 92.8
  Top Layer w0.203: v1(49.53,28.321) 50.038,27.813 66.421,27.813 67.316,28.708 67.316,29.216 P1.5@67.564,29.464 ; v1(54.483,76.2) 54.556,76.127 U5.55@54.556,71.972
  Bottom Layer w0.203: v1(49.53,28.321) 35.074,42.777 35.074,69.371 41.902,76.2 v1(54.483,76.2)
JTMS/SWDIO: P1.2 U5.46 | length 73.9
  Top Layer w0.203: U5.46@59.544,68.984 60.683,68.984 60.96,68.707 v1(61.849,68.707)
  Bottom Layer w0.203: P1.2@59.944,29.464 51.054,38.354 47.117,38.354 39.243,46.228 39.243,66.548 40.64,67.945 52.578,67.945 53.34,68.707 v1(61.849,68.707)
LCD_BL: J7.29 LCD1.29 U5.27 | length 177.5
  Top Layer w0.203: U5.27@55.056,60.496 55.056,40.926 56.356,39.626 80.949,39.626 98.77,57.447 140.855,57.447 145.031,61.623 v1(148.248,61.623) ; v1(151.4,53.8) 153.3,51.9 157.6,51.9 J7.29@157.7,51.8 180.408,51.8 181.564,50.644 188.456,50.644 188.947,50.153 188.947,49.593 LCD1.29@189.2,49.34
  Bottom Layer w0.203: v1(148.248,61.623) 144.4,57.775 144.4,56.037 146.637,53.8 v1(151.4,53.8)
LCD_D/C: J7.25 LCD1.25 U5.59 | length 169
  Top Layer w0.203: U5.59@52.556,71.972 52.556,73.699 51.562,74.693 51.562,77.089 53.523,79.05 62.551,79.05 77.247,64.354 97.366,64.354 97.962,63.758 137.75,63.758 143.658,69.666 155.366,69.666 v1(155.4,69.7) ; v1(156,55.6) 156.11,55.6 156.31,55.8 J7.25@157.7,55.8 178.3,55.8 178.653,55.447 186.215,55.447 186.229,55.461 188.159,55.461 LCD1.25@189.2,54.42
  Bottom Layer w0.203: v1(155.4,69.7) 154.2,69.7 154.047,69.547 154.047,68.773 154.016,68.742 154.016,68.258 154.047,68.227 154.047,60.953 156,59 v1(156,55.6)
LCD_NCS: J7.23 LCD1.23 U5.20 | length 172
  Top Layer w0.203: U5.20@51.556,60.496 51.556,39.317 55.089,35.785 86.414,35.785 104.823,54.193 143.493,54.193 146.196,56.896 v1(146.558,56.896) ; v1(154.5,58.6) 154.874,58.6 155.674,57.8 J7.23@157.7,57.8 179.375,57.8 180.359,56.816 184.854,56.816 186.338,58.3 188.4,58.3 188.947,57.753 188.947,57.213 LCD1.23@189.2,56.96
  Bottom Layer w0.203: v1(146.558,56.896) 152.796,56.896 v1(154.5,58.6)
LCD_RESET_N: J7.21 LCD1.21 R27.1 U5.26 | length 166.2
  Top Layer w0.203: U5.26@54.556,60.496 54.556,40.262 55.818,39 81.887,39 99.743,56.856 141.428,56.856 145.024,60.452 155.448,60.452 156.1,59.8 J7.21@157.7,59.8 183.3,59.8 v1(184.1,59) 184.178,59.078 184.423,59.078 186.145,60.8 187.9,60.8 LCD1.21@189.2,59.5
LCD_SCK: J7.24 LCD1.24 U5.21 | length 173.8
  Top Layer w0.203: U5.21@52.056,60.496 52.056,40.003 55.454,36.605 85.497,36.605 103.841,54.949 142.96,54.949 146.011,58 v1(148.2,58) ; v1(154.7,56.9) 154.8,56.8 J7.24@157.7,56.8 178.811,56.8 179.567,56.044 185.744,56.044 LCD1.24@186.66,56.96
  Bottom Layer w0.203: v1(148.2,58) 145.8,58 145.3,57.5 145.3,56.601 146.151,55.75 153.55,55.75 v1(154.7,56.9)
LCD_SDCARD_CS: J7.35 LCD1.35 U5.44 | length 190.2
  Top Layer w0.203: U5.44@59.544,67.984 68.092,67.984 74.31,61.765 95.462,61.765 96.985,60.241 139.66,60.241 144.569,65.151 151.003,65.151 151.892,64.262 152.272,64.262 152.29,64.244 152.516,64.244 v1(152.594,64.166) ; v1(155.6,45.8) J7.35@157.7,45.8 177.8,45.8 180.5,43.1 187.82,43.1 LCD1.35@189.2,41.72
  Bottom Layer w0.203: v1(152.594,64.166) 153.416,64.988 153.416,67.31 152.908,67.818 146.431,67.818 139.446,60.833 139.446,48.26 145.161,42.545 156.472,42.545 156.591,42.664 156.591,44.809 v1(155.6,45.8)
LCD_SDI: J7.27 LCD1.27 U5.23 | length 170.1
  Top Layer w0.203: U5.23@53.056,60.496 53.056,40.706 55.59,38.172 83.113,38.172 101.107,56.166 141.891,56.166 145.542,59.817 151.384,59.817 153.421,57.78 153.421,56.383 156.004,53.8 J7.27@157.7,53.8 181.762,53.8 182.405,53.157 187.923,53.157 LCD1.27@189.2,51.88
LCD_SDO: J7.28 LCD1.28 U5.22 | length 167.1
  Top Layer w0.203: U5.22@52.556,60.496 52.556,40.343 55.362,37.538 84.638,37.538 102.649,55.548 142.549,55.548 145.797,58.797 150.118,58.797 156.115,52.8 J7.28@157.7,52.8 181.069,52.8 181.989,51.88 LCD1.28@186.66,51.88
LCD_TOUCH_CS: J7.30 LCD1.30 U5.57 | length 169
  Top Layer w0.203: U5.57@53.556,71.972 53.556,74.46 52.959,75.057 52.959,76.708 54.021,77.77 61.356,77.77 75.831,63.295 96.661,63.295 97.579,62.378 138.501,62.378 143.925,67.802 153.098,67.802 154.975,65.925 v1(155.1,65.925) ; v1(154.2,50.8) J7.30@157.7,50.8 179.9,50.8 181.36,49.34 LCD1.30@186.66,49.34
  Bottom Layer w0.203: v1(154.2,50.8) 154.31,50.8 154.474,50.964 154.492,50.964 159.2,55.672 159.2,61.7 155.1,65.8 v1(155.1,65.925)
LCD_TOUCH_INTR: J7.31 LCD1.31 U5.58 | length 174.6
  Top Layer w0.203: U5.58@53.056,71.972 53.056,74.053 52.07,75.039 52.07,76.708 53.768,78.406 62.139,78.406 76.709,63.837 96.917,63.837 97.62,63.134 138.191,63.134 143.651,68.593 154.278,68.593 154.293,68.578 154.522,68.578 v1(154.6,68.5) ; v1@155.593,49.748 155.646,49.8 J7.31@157.7,49.8 179.4,49.8 181.124,48.076 187.924,48.076 LCD1.31@189.2,46.8
  Bottom Layer w0.203: v1(154.6,68.5) 160,63.1 160,54.2 v1(155.6,49.8)
MFP: R1.1 U1.7 U5.62 | length 29.5
  Top Layer w0.203: U5.62@51.056,71.972 51.056,70.317 54.063,67.31 v1(54.102,67.31)
  Top Layer w0.635: U1.7@60.068,53.532 v1@60.068,55.269
  Bottom Layer w0.203: v1(54.102,67.31) 54.102,67.437 54.165,67.373 56.515,65.024 61.862,65.024 64.897,61.989 64.897,60.134 60.094,55.331 v1(60.074,55.331)
NetC25_1: C25.1 L6.1 U6.3 | length 12
  Top Layer w0.305: U6.3@22.415,45.902 22.796,45.902 23.131,46.237 v1(24.905,46.237)
  Bottom Layer w0.305: C25.1@18.818,46.628 24.513,46.628 v1@24.796,46.345
  Bottom Layer w0.762: L6.1@24.796,49.472 24.905,49.364 v1(24.905,46.237)
NetC25_2: C25.2 R53.2
  other v1: 16.871,46.577
NetC28_2: C28.2 U6.1 | length 1.5
  Top Layer w0.254: U6.1@22.415,44.902 23.365,44.902 C28.2@23.777,44.489
NetC31_1: C31.1 R14.2 U12.3 | length 3.3
  Top Layer w0.508: U12.3@124.498,36.154 124.544,36.2 125.7,36.2 v1(126.1,35.8)
  Bottom Layer w0.508: R14.2@125.862,36.2 C31.1@127.4,36.2
NetC38_U_BOARD_CONNECTOR_1x_1_1: C38_U_BOARD_CONNECTOR_1x_1.1 U13_U_BOARD_CONNECTOR_1x_1.3 | length 2.3
  Top Layer w0.203: 63.09,86.347 63.09,84.26 63.265,84.085
NetC38_U_BOARD_CONNECTOR_1x_1_2: C38_U_BOARD_CONNECTOR_1x_1.2 U13_U_BOARD_CONNECTOR_1x_1.1 | length 2.3
  Top Layer w0.203: 61.79,86.347 61.79,84.16 61.865,84.085
NetC38_U_BOARD_CONNECTOR_1x_2_1: C38_U_BOARD_CONNECTOR_1x_2.1 U13_U_BOARD_CONNECTOR_1x_2.3 | length 2.3
  Top Layer w0.203: U13_U_BOARD_CONNECTOR_1x_2.3@108.238,86.386 108.238,84.299 C38_U_BOARD_CONNECTOR_1x_2.1@108.413,84.124
NetC38_U_BOARD_CONNECTOR_1x_2_2: C38_U_BOARD_CONNECTOR_1x_2.2 U13_U_BOARD_CONNECTOR_1x_2.1 | length 2.3
  Top Layer w0.203: U13_U_BOARD_CONNECTOR_1x_2.1@106.938,86.386 106.938,84.199 C38_U_BOARD_CONNECTOR_1x_2.2@107.013,84.124
NetC38_U_BOARD_CONNECTOR_1x_3_1: C38_U_BOARD_CONNECTOR_1x_3.1 U13_U_BOARD_CONNECTOR_1x_3.3 | length 2.3
  Top Layer w0.203: U13_U_BOARD_CONNECTOR_1x_3.3@137.529,86.4 137.529,84.313 C38_U_BOARD_CONNECTOR_1x_3.1@137.704,84.138
NetC38_U_BOARD_CONNECTOR_1x_3_2: C38_U_BOARD_CONNECTOR_1x_3.2 U13_U_BOARD_CONNECTOR_1x_3.1 | length 2.3
  Top Layer w0.203: U13_U_BOARD_CONNECTOR_1x_3.1@136.229,86.4 136.229,84.213 C38_U_BOARD_CONNECTOR_1x_3.2@136.304,84.138
NetC38_U_BOARD_CONNECTOR_1x_4_1: C38_U_BOARD_CONNECTOR_1x_4.1 U13_U_BOARD_CONNECTOR_1x_4.3 | length 2.3
  Top Layer w0.203: U13_U_BOARD_CONNECTOR_1x_4.3@37.725,86.347 37.725,84.26 C38_U_BOARD_CONNECTOR_1x_4.1@37.9,84.085
NetC38_U_BOARD_CONNECTOR_1x_4_2: C38_U_BOARD_CONNECTOR_1x_4.2 U13_U_BOARD_CONNECTOR_1x_4.1 | length 2.3
  Top Layer w0.203: U13_U_BOARD_CONNECTOR_1x_4.1@36.425,86.347 36.425,84.16 C38_U_BOARD_CONNECTOR_1x_4.2@36.5,84.085
NetC44_1: C44.1 J1.1 L4.2 | length 4.8
  Top Layer w0.381: 6.622,91.888 8.219,91.888 9.037,92.706 ; 9.926,81.276 C44.1@11.958,81.276
NetC45_U_BOARD_CONNECTOR_1x_1_2: C45_U_BOARD_CONNECTOR_1x_1.2 U13_U_BOARD_CONNECTOR_1x_1.6 | length 1.6
  Top Layer w0.203: 65.04,86.347 65.04,87.483 65.265,87.708 v1(65.265,87.805)
NetC45_U_BOARD_CONNECTOR_1x_2_2: C45_U_BOARD_CONNECTOR_1x_2.2 U13_U_BOARD_CONNECTOR_1x_2.6 | length 1.6
  Top Layer w0.203: U13_U_BOARD_CONNECTOR_1x_2.6@110.188,86.386 110.188,87.522 110.413,87.747 v1(110.413,87.844)
NetC45_U_BOARD_CONNECTOR_1x_3_2: C45_U_BOARD_CONNECTOR_1x_3.2 U13_U_BOARD_CONNECTOR_1x_3.6 | length 1.6
  Top Layer w0.203: U13_U_BOARD_CONNECTOR_1x_3.6@139.479,86.4 139.479,87.536 139.704,87.761 v1(139.704,87.858)
NetC45_U_BOARD_CONNECTOR_1x_4_2: C45_U_BOARD_CONNECTOR_1x_4.2 U13_U_BOARD_CONNECTOR_1x_4.6 | length 1.6
  Top Layer w0.203: U13_U_BOARD_CONNECTOR_1x_4.6@39.675,86.347 39.675,87.483 39.9,87.708 v1(39.9,87.805)
NetC46_U_BOARD_CONNECTOR_1x_1_2: C46_U_BOARD_CONNECTOR_1x_1.2 U13_U_BOARD_CONNECTOR_1x_1.2 | length 1.5
  Top Layer w0.381: v1(62.34,87.76) 62.34,87.65 62.44,87.551 62.44,86.347
NetC46_U_BOARD_CONNECTOR_1x_2_2: C46_U_BOARD_CONNECTOR_1x_2.2 U13_U_BOARD_CONNECTOR_1x_2.2 | length 1.5
  Top Layer w0.381: v1(107.489,87.799) 107.489,87.689 107.588,87.59 U13_U_BOARD_CONNECTOR_1x_2.2@107.588,86.386
NetC46_U_BOARD_CONNECTOR_1x_3_2: C46_U_BOARD_CONNECTOR_1x_3.2 U13_U_BOARD_CONNECTOR_1x_3.2 | length 1.5
  Top Layer w0.381: v1(136.78,87.813) 136.78,87.703 136.879,87.604 U13_U_BOARD_CONNECTOR_1x_3.2@136.879,86.4
NetC46_U_BOARD_CONNECTOR_1x_4_2: C46_U_BOARD_CONNECTOR_1x_4.2 U13_U_BOARD_CONNECTOR_1x_4.2 | length 1.5
  Top Layer w0.381: v1(36.976,87.76) 36.976,87.65 37.075,87.551 U13_U_BOARD_CONNECTOR_1x_4.2@37.075,86.347
NetC47_U_BOARD_CONNECTOR_1x_1_1: C47_U_BOARD_CONNECTOR_1x_1.1 U13_U_BOARD_CONNECTOR_1x_1.5 | length 3.4
  Top Layer w0.203: 64.39,86.347 64.39,85.024 64.509,84.905 65.246,84.905 65.365,84.786 ; 65.365,84.785 65.716,84.433 65.785,84.433 66.065,84.154 66.065,84.085
NetC47_U_BOARD_CONNECTOR_1x_1_2: C47_U_BOARD_CONNECTOR_1x_1.2 U13_U_BOARD_CONNECTOR_1x_1.4 | length 2.6
  Top Layer w0.203: 63.74,86.347 63.74,85.13 64.385,84.484 64.385,84.364 64.665,84.085
NetC47_U_BOARD_CONNECTOR_1x_2_1: C47_U_BOARD_CONNECTOR_1x_2.1 U13_U_BOARD_CONNECTOR_1x_2.5 | length 3.4
  Top Layer w0.203: U13_U_BOARD_CONNECTOR_1x_2.5@109.538,86.386 109.538,85.063 109.657,84.944 110.394,84.944 110.513,84.825 ; 110.513,84.824 110.865,84.472 110.934,84.472 111.213,84.193 C47_U_BOARD_CONNECTOR_1x_2.1@111.213,84.124
NetC47_U_BOARD_CONNECTOR_1x_2_2: C47_U_BOARD_CONNECTOR_1x_2.2 U13_U_BOARD_CONNECTOR_1x_2.4 | length 2.6
  Top Layer w0.203: U13_U_BOARD_CONNECTOR_1x_2.4@108.888,86.386 108.888,85.169 109.534,84.523 109.534,84.403 C47_U_BOARD_CONNECTOR_1x_2.2@109.813,84.124
NetC47_U_BOARD_CONNECTOR_1x_3_1: C47_U_BOARD_CONNECTOR_1x_3.1 U13_U_BOARD_CONNECTOR_1x_3.5 | length 3.2
  Top Layer w0.203: U13_U_BOARD_CONNECTOR_1x_3.5@138.829,86.4 138.829,85.446 139.316,84.958 139.685,84.958 139.804,84.839 ; 139.804,84.838 140.156,84.487 140.225,84.487 140.504,84.207 C47_U_BOARD_CONNECTOR_1x_3.1@140.504,84.138
NetC47_U_BOARD_CONNECTOR_1x_3_2: C47_U_BOARD_CONNECTOR_1x_3.2 U13_U_BOARD_CONNECTOR_1x_3.4 | length 2.6
  Top Layer w0.203: U13_U_BOARD_CONNECTOR_1x_3.4@138.179,86.4 138.179,85.183 138.825,84.538 138.825,84.418 C47_U_BOARD_CONNECTOR_1x_3.2@139.104,84.138
NetC47_U_BOARD_CONNECTOR_1x_4_1: C47_U_BOARD_CONNECTOR_1x_4.1 U13_U_BOARD_CONNECTOR_1x_4.5 | length 3.4
  Top Layer w0.203: U13_U_BOARD_CONNECTOR_1x_4.5@39.025,86.347 39.025,85.024 39.144,84.905 39.881,84.905 40,84.786 ; 40,84.785 40.352,84.433 40.421,84.433 40.7,84.154 C47_U_BOARD_CONNECTOR_1x_4.1@40.7,84.085
NetC47_U_BOARD_CONNECTOR_1x_4_2: C47_U_BOARD_CONNECTOR_1x_4.2 U13_U_BOARD_CONNECTOR_1x_4.4 | length 2.6
  Top Layer w0.203: U13_U_BOARD_CONNECTOR_1x_4.4@38.375,86.347 38.375,85.13 39.021,84.484 39.021,84.364 C47_U_BOARD_CONNECTOR_1x_4.2@39.3,84.085
NetC50_2: C50.2 J1.2 R18.1 | length 3
  Top Layer w0.178: 7.511,79.658 10.213,79.658 R18.1@10.394,79.839
  other v2: 9.037,91.182
NetC63_2: C63.2 J1.3 R19.1 | length 3.1
  Top Layer w0.178: 6.622,90.288 9.098,90.288 9.149,90.236 9.213,90.236 ; R19.1@10.102,78.806 10.394,78.514 R19.1@10.394,78.451
  other v2: 10.038,78.806
NetC73_2: C73.2 U6.7 | length 2.9
  Top Layer w0.305: C73.2@18.818,43.821 19.258,43.821 19.799,44.362 19.799,44.896 20.305,45.402 U6.7@20.739,45.402
NetC76_2: C76.2 R43.1 R44.1 R45.1 | length 3.3
  Top Layer w0.305: R44.1@18.887,48.048 18.89,48.045 v1(19.578,48.045) 19.76,47.863 19.909,47.863 R43.1@20.042,47.73 R45.1@20.042,49.03
  Bottom Layer w0.305: C76.2@18.825,48.048 18.828,48.045 v1(19.578,48.045)
NetD3_1: D3.1 R30.1
  other v2: 25.42,72.894
NetD4_1: D4.1 R31.1
  other v2: 23.896,72.894
NetD5_1: D5.1 R32.1 | length 1.5
  Top Layer w0.203: D5.1@38.4,58.4 39.789,58.4 R32.1@39.838,58.351